# Altium PCB BTF16_2.PcbDoc (part 2 of 4)
Units mm, origin at the board's own origin, x right, y up, seen from the top; angles counter-clockwise.
Board outline 150 x 212.5 mm, 4 copper layers (L1, L2, L3, L4), stack 1.606 mm thick; 313 components, 135 nets, 1767 pads, 1746 vias.
Unrouted connection lines stored in the file: 6.
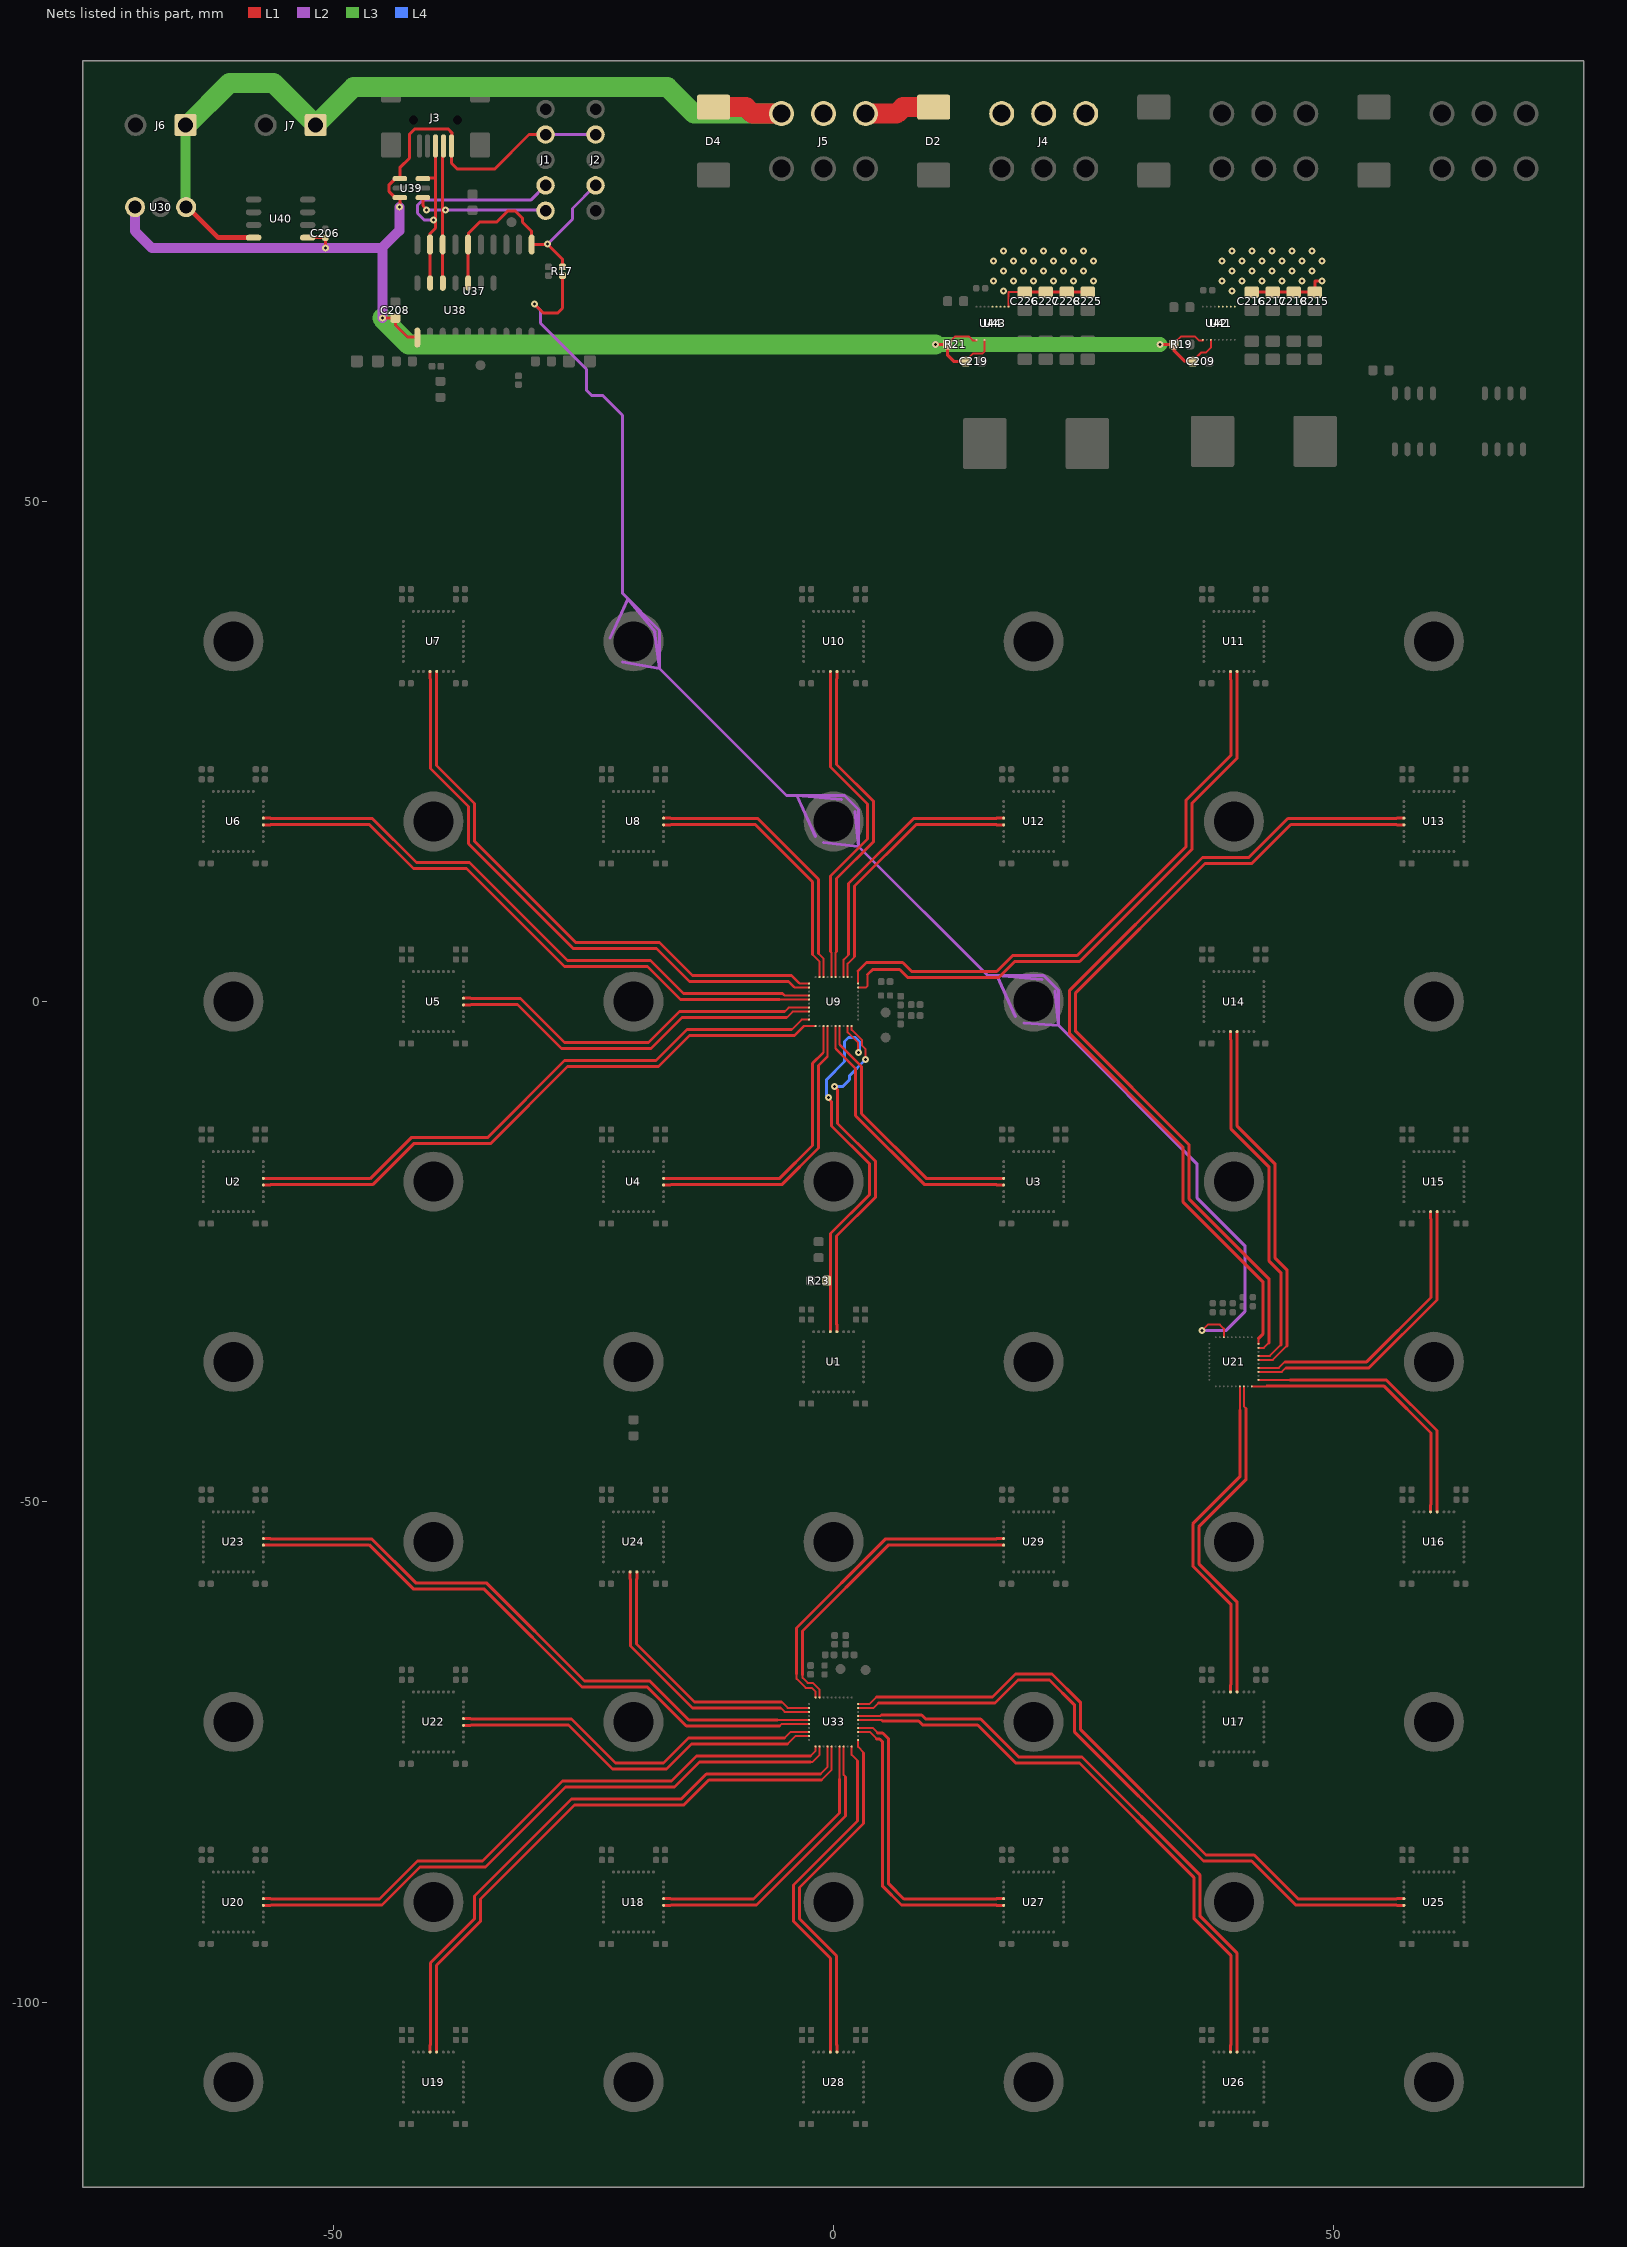
[diagram p4: the nets of this part, all layers, seen from the top]

## Footprints (in the part's own frame and the unit in brackets; to place one, negate y for a bottom-side part, rotate by r counter-clockwise, add the part's x,y. Pads: shape width x height; smd on the part's side, far side on the other; paste and mask are expansions set on the pad) (continued)
PTH_HDRV02W11060P500_1X02 [mm]
  rrect18% 2.2x2.2 / inner round 2.2 / far side rrect18% 2.2x2.2 hole 1.5 mask+0.075: 1(-2.5,-0.35)
  round 2.2 hole 1.5 mask+0.075: 2(2.5,-0.35)
  silkscreen extent -5.25,-4 5.25,4, body extent -5.25,-4 5.25,4, height 11
PTH_HDRV05W64P254_1X05 [mm]
  round 1.85 hole 1.15 mask+0.075: 1(-5.08,0) 2(-2.54,0) 3(0,0) 4(2.54,0) 5(5.08,0)
  silkscreen extent -6.35,-1.25 6.35,1.25, body extent -6.35,-1.25 6.35,1.25, height 8
PTH_MTG400_700 [mm]
  round 6 / inner round 4 / far side round 5 hole 4 mask+0.075: 1(0,0)
  silkscreen extent -3.85,-3.85 3.85,3.85
PTH_TO220 [mm]
  round 2 hole 1.3 mask+0.075: 1(-2.55,-0.35) 2(0,-0.35) 3(2.55,-0.35)
  silkscreen extent -5.25,-2.4 5.25,2.4, body extent -5.12,-2.25 5.12,2.26, height 23.25
SMD_0402_CAPC1005X55N [mm]
  rrect48% 0.62x0.62 smd mask+0.075: 1(-0.45,0) 2(0.45,0)
  body extent -0.5,-0.25 0.5,0.25, height 0.55
SMD_0402_CAPC1005X70N [mm]
  rrect48% 0.62x0.62 smd mask+0.075: 1(-0.45,0) 2(0.45,0)
  body extent -0.5,-0.25 0.5,0.25, height 0.7
SMD_0402_RESC1005X37N [mm]
  rrect45% 0.67x0.67 smd mask+0.05: 1(-0.44,0) 2(0.44,0)
  body extent -0.5,-0.25 0.5,0.25, height 0.37
SMD_0603_CAPC1608X80N [mm]
  rrect42% 0.95x1 smd mask+0.075: 1(-0.8,0) 2(0.8,0)
  body extent -0.8,-0.4 0.8,0.4, height 0.8
SMD_0603_CAPC1608X95N [mm]
  rrect42% 0.95x1 smd mask+0.075: 1(-0.8,0) 2(0.8,0)
  body extent -0.8,-0.4 0.8,0.4, height 0.95
SMD_0603_RESC1608X55N [mm]
  rrect44% 0.9x1 smd mask+0.075: 1(-0.8,0) 2(0.8,0)
  body extent -0.8,-0.4 0.8,0.4, height 0.55
SMD_0805_CAPC2012X145N [mm]
  rrect35% 1.15x1.45 smd mask+0.075: 1(-0.9,0) 2(0.9,0)
  body extent -1,-0.6 1,0.6, height 1.45
SMD_CON-CVILUX-CU04-SCM15B0 [mm]
  rrect80% 0.5x2.3 smd mask+0.075: 1(-1.6,2.6) 2(-0.8,2.6) 3(0,2.6) 4(0.8,2.6) 5(1.6,2.6)
  rrect20% 2x2.5 smd mask+0.075: 6(4.45,2.5) 7(4.45,-3) 8(-4.45,-3) 9(-4.45,2.5)
  round 0.5 hole 0.9 unplated mask+0.275: 10(-2.2,0) 11(2.2,0)
  silkscreen extent -3.85,-4.7 3.85,4.15, body extent -4.95,-5.9 4.95,3.1, height 3.95
SMD_DO214AC_SMC [mm]
  rrect16% 2.5x3.3 smd mask+0.075: 1(-3.4,0) 2(3.4,0)
  silkscreen extent -4.5,-3.1 3.55,3.1, body extent -4.06,-3.11 4.07,3.11, height 2.62
SMD_LED2012X100N [mm]
  rrect33% 1.2x1.2 smd mask+0.075: 1(-1.05,0) 2(1.05,0)
  body extent -1,-0.62 1,0.63, height 0.98
SMD_QFN40P500X500X80-41N [mm]
  round 0.2 smd: 1(-2.45,1.8) 2(-2.45,1.4) 3(-2.45,1) 4(-2.45,0.6) 5(-2.45,0.2) 6(-2.45,-0.2) 7(-2.45,-0.6) 8(-2.45,-1) 9(-2.45,-1.4) 10(-2.45,-1.8) 11(-1.8,-2.45) 12(-1.4,-2.45) 13(-1,-2.45) 14(-0.6,-2.45) 15(-0.2,-2.45) 16(0.2,-2.45) 17(0.6,-2.45) 18(1,-2.45) 19(1.4,-2.45) 20(1.8,-2.45) 21(2.45,-1.8) 22(2.45,-1.4) 23(2.45,-1) 24(2.45,-0.6) 25(2.45,-0.2) 26(2.45,0.2) 27(2.45,0.6) 28(2.45,1) 29(2.45,1.4) 30(2.45,1.8) 31(1.8,2.45) 32(1.4,2.45) 33(1,2.45) 34(0.6,2.45) 35(0.2,2.45) 36(-0.2,2.45) 37(-0.6,2.45) 38(-1,2.45) 39(-1.4,2.45) 40(-1.8,2.45)
  rect 0.35x0.35 smd: 41(0,0)
  L1 region: -1.675,1.325 -1.325,1.675 1.475,1.679 1.553,1.663 1.619,1.619 1.663,1.553 1.679,1.475 1.675,1.475 1.679,-1.475 1.663,-1.553 1.619,-1.619 1.553,-1.663 1.475,-1.679 1.475,-1.675 -1.475,-1.679 -1.553,-1.663 -1.619,-1.619 -1.663,-1.553 -1.679,-1.475 -1.675,-1.475 -1.675,1.325
  L1 region: -1.7,2.875 -1.692,2.125 -1.723,2.048 -1.8,2.017 -1.877,2.048 -1.908,2.125 -1.9,2.125 -1.9,2.875 -1.7,2.875
  L1 region: -1.3,2.875 -1.292,2.125 -1.323,2.048 -1.4,2.017 -1.477,2.048 -1.508,2.125 -1.5,2.125 -1.5,2.875 -1.3,2.875
  L1 region: -0.9,2.875 -0.892,2.125 -0.923,2.048 -1,2.017 -1.077,2.048 -1.108,2.125 -1.1,2.125 -1.1,2.875 -0.9,2.875
  L1 region: -0.5,2.875 -0.492,2.125 -0.523,2.048 -0.6,2.017 -0.677,2.048 -0.708,2.125 -0.7,2.125 -0.7,2.875 -0.5,2.875
  L1 region: -0.1,2.875 -0.092,2.125 -0.123,2.048 -0.2,2.017 -0.277,2.048 -0.308,2.125 -0.3,2.125 -0.3,2.875 -0.1,2.875
  L1 region: 0.3,2.875 0.308,2.125 0.277,2.048 0.2,2.017 0.123,2.048 0.092,2.125 0.1,2.125 0.1,2.875 0.3,2.875
  L1 region: 0.7,2.875 0.708,2.125 0.677,2.048 0.6,2.017 0.523,2.048 0.492,2.125 0.5,2.125 0.5,2.875 0.7,2.875
  L1 region: 1.1,2.875 1.108,2.125 1.077,2.048 1,2.017 0.923,2.048 0.892,2.125 0.9,2.125 0.9,2.875 1.1,2.875
  L1 region: 1.5,2.875 1.508,2.125 1.477,2.048 1.4,2.017 1.323,2.048 1.292,2.125 1.3,2.125 1.3,2.875 1.5,2.875
  L1 region: 1.9,2.875 1.908,2.125 1.877,2.048 1.8,2.017 1.723,2.048 1.692,2.125 1.7,2.125 1.7,2.875 1.9,2.875
  L1 region: 2.875,1.7 2.125,1.692 2.048,1.723 2.017,1.8 2.048,1.877 2.125,1.908 2.125,1.9 2.875,1.9 2.875,1.7
  L1 region: 2.875,1.3 2.125,1.292 2.048,1.323 2.017,1.4 2.048,1.477 2.125,1.508 2.125,1.5 2.875,1.5 2.875,1.3
  L1 region: 2.875,0.9 2.125,0.892 2.048,0.923 2.017,1 2.048,1.077 2.125,1.108 2.125,1.1 2.875,1.1 2.875,0.9
  L1 region: 2.875,0.5 2.125,0.492 2.048,0.523 2.017,0.6 2.048,0.677 2.125,0.708 2.125,0.7 2.875,0.7 2.875,0.5
  L1 region: 2.875,0.1 2.125,0.092 2.048,0.123 2.017,0.2 2.048,0.277 2.125,0.308 2.125,0.3 2.875,0.3 2.875,0.1
  L1 region: 2.875,-0.3 2.125,-0.308 2.048,-0.277 2.017,-0.2 2.048,-0.123 2.125,-0.092 2.125,-0.1 2.875,-0.1 2.875,-0.3
  L1 region: 2.875,-0.7 2.125,-0.708 2.048,-0.677 2.017,-0.6 2.048,-0.523 2.125,-0.492 2.125,-0.5 2.875,-0.5 2.875,-0.7
  L1 region: 2.875,-1.1 2.125,-1.108 2.048,-1.077 2.017,-1 2.048,-0.923 2.125,-0.892 2.125,-0.9 2.875,-0.9 2.875,-1.1
  L1 region: 2.875,-1.5 2.125,-1.508 2.048,-1.477 2.017,-1.4 2.048,-1.323 2.125,-1.292 2.125,-1.3 2.875,-1.3 2.875,-1.5
  L1 region: 2.875,-1.9 2.125,-1.908 2.048,-1.877 2.017,-1.8 2.048,-1.723 2.125,-1.692 2.125,-1.7 2.875,-1.7 2.875,-1.9
  L1 region: 1.7,-2.875 1.692,-2.125 1.723,-2.048 1.8,-2.017 1.877,-2.048 1.908,-2.125 1.9,-2.125 1.9,-2.875 1.7,-2.875
  L1 region: 1.3,-2.875 1.292,-2.125 1.323,-2.048 1.4,-2.017 1.477,-2.048 1.508,-2.125 1.5,-2.125 1.5,-2.875 1.3,-2.875
  L1 region: 0.9,-2.875 0.892,-2.125 0.923,-2.048 1,-2.017 1.077,-2.048 1.108,-2.125 1.1,-2.125 1.1,-2.875 0.9,-2.875
  L1 region: 0.5,-2.875 0.492,-2.125 0.523,-2.048 0.6,-2.017 0.677,-2.048 0.708,-2.125 0.7,-2.125 0.7,-2.875 0.5,-2.875
  L1 region: 0.1,-2.875 0.092,-2.125 0.123,-2.048 0.2,-2.017 0.277,-2.048 0.308,-2.125 0.3,-2.125 0.3,-2.875 0.1,-2.875
  L1 region: -0.3,-2.875 -0.308,-2.125 -0.277,-2.048 -0.2,-2.017 -0.123,-2.048 -0.092,-2.125 -0.1,-2.125 -0.1,-2.875 -0.3,-2.875
  L1 region: -0.7,-2.875 -0.708,-2.125 -0.677,-2.048 -0.6,-2.017 -0.523,-2.048 -0.492,-2.125 -0.5,-2.125 -0.5,-2.875 -0.7,-2.875
  L1 region: -1.1,-2.875 -1.108,-2.125 -1.077,-2.048 -1,-2.017 -0.923,-2.048 -0.892,-2.125 -0.9,-2.125 -0.9,-2.875 -1.1,-2.875
  L1 region: -1.5,-2.875 -1.508,-2.125 -1.477,-2.048 -1.4,-2.017 -1.323,-2.048 -1.292,-2.125 -1.3,-2.125 -1.3,-2.875 -1.5,-2.875
  L1 region: -1.9,-2.875 -1.908,-2.125 -1.877,-2.048 -1.8,-2.017 -1.723,-2.048 -1.692,-2.125 -1.7,-2.125 -1.7,-2.875 -1.9,-2.875
  L1 region: -2.875,-1.7 -2.125,-1.692 -2.048,-1.723 -2.017,-1.8 -2.048,-1.877 -2.125,-1.908 -2.125,-1.9 -2.875,-1.9 -2.875,-1.7
  L1 region: -2.875,-1.3 -2.125,-1.292 -2.048,-1.323 -2.017,-1.4 -2.048,-1.477 -2.125,-1.508 -2.125,-1.5 -2.875,-1.5 -2.875,-1.3
  L1 region: -2.875,-0.9 -2.125,-0.892 -2.048,-0.923 -2.017,-1 -2.048,-1.077 -2.125,-1.108 -2.125,-1.1 -2.875,-1.1 -2.875,-0.9
  L1 region: -2.875,-0.5 -2.125,-0.492 -2.048,-0.523 -2.017,-0.6 -2.048,-0.677 -2.125,-0.708 -2.125,-0.7 -2.875,-0.7 -2.875,-0.5
  L1 region: -2.875,-0.1 -2.125,-0.092 -2.048,-0.123 -2.017,-0.2 -2.048,-0.277 -2.125,-0.308 -2.125,-0.3 -2.875,-0.3 -2.875,-0.1
  L1 region: -2.875,0.3 -2.125,0.308 -2.048,0.277 -2.017,0.2 -2.048,0.123 -2.125,0.092 -2.125,0.1 -2.875,0.1 -2.875,0.3
  L1 region: -2.875,0.7 -2.125,0.708 -2.048,0.677 -2.017,0.6 -2.048,0.523 -2.125,0.492 -2.125,0.5 -2.875,0.5 -2.875,0.7
  L1 region: -2.875,1.1 -2.125,1.108 -2.048,1.077 -2.017,1 -2.048,0.923 -2.125,0.892 -2.125,0.9 -2.875,0.9 -2.875,1.1
  L1 region: -2.875,1.5 -2.125,1.508 -2.048,1.477 -2.017,1.4 -2.048,1.323 -2.125,1.292 -2.125,1.3 -2.875,1.3 -2.875,1.5
  L1 region: -2.875,1.9 -2.125,1.908 -2.048,1.877 -2.017,1.8 -2.048,1.723 -2.125,1.692 -2.125,1.7 -2.875,1.7 -2.875,1.9
  silkscreen extent -3.47,-2.5 2.5,2.5
SMD_QFN50P600X600X175-36AN [mm]
  round 0.3 smd mask-0.15: 1(-3,2) 2(-3,1.5) 3(-3,1) 4(-3,0.5) 5(-3,0) 6(-3,-0.5) 7(-3,-1) 8(-3,-1.5) 9(-3,-2) 10(-2,-3) 11(-1.5,-3) 12(-1,-3) 13(-0.5,-3) 14(0,-3) 15(0.5,-3) 16(1,-3) 17(1.5,-3) 18(2,-3) 19(3,-2) 20(3,-1.5) 21(3,-1) 22(3,-0.333) 23(3,0.334) 24(3,1) 25(3,1.5) 26(3,2) 27(2,3) 28(1.5,3) 29(1,3) 30(0.5,3) 31(0,3) 32(-0.5,3) 33(-1,3) 34(-1.5,3) 35(-2,3)
  round 0.4 smd: 36(0,0)
  L1 region: -2.35,2.15 -2.15,2.35 2.15,2.354 2.228,2.338 2.294,2.294 2.338,2.228 2.354,2.15 2.35,2.15 2.354,-2.15 2.338,-2.228 2.294,-2.294 2.228,-2.338 2.15,-2.354 2.15,-2.35 -2.15,-2.354 -2.228,-2.338 -2.294,-2.294 -2.338,-2.228 -2.354,-2.15 -2.35,-2.15 -2.35,2.15
  L1 region: -1.85,3.4 -1.838,2.75 -1.885,2.635 -2,2.588 -2.115,2.635 -2.162,2.75 -2.15,2.75 -2.15,3.4 -1.85,3.4
  L1 region: -1.35,3.4 -1.338,2.75 -1.385,2.635 -1.5,2.588 -1.615,2.635 -1.662,2.75 -1.65,2.75 -1.65,3.4 -1.35,3.4
  L1 region: -0.85,3.4 -0.838,2.75 -0.885,2.635 -1,2.588 -1.115,2.635 -1.162,2.75 -1.15,2.75 -1.15,3.4 -0.85,3.4
  L1 region: -0.35,3.4 -0.338,2.75 -0.385,2.635 -0.5,2.588 -0.615,2.635 -0.662,2.75 -0.65,2.75 -0.65,3.4 -0.35,3.4
  L1 region: 0.15,3.4 0.162,2.75 0.115,2.635 0,2.588 -0.115,2.635 -0.162,2.75 -0.15,2.75 -0.15,3.4 0.15,3.4
  L1 region: 0.65,3.4 0.662,2.75 0.615,2.635 0.5,2.588 0.385,2.635 0.338,2.75 0.35,2.75 0.35,3.4 0.65,3.4
  L1 region: 1.15,3.4 1.162,2.75 1.115,2.635 1,2.588 0.885,2.635 0.838,2.75 0.85,2.75 0.85,3.4 1.15,3.4
  L1 region: 1.65,3.4 1.662,2.75 1.615,2.635 1.5,2.588 1.385,2.635 1.338,2.75 1.35,2.75 1.35,3.4 1.65,3.4
  L1 region: 2.15,3.4 2.162,2.75 2.115,2.635 2,2.588 1.885,2.635 1.838,2.75 1.85,2.75 1.85,3.4 2.15,3.4
  L1 region: 3.4,1.85 2.75,1.838 2.635,1.885 2.588,2 2.635,2.115 2.75,2.162 2.75,2.15 3.4,2.15 3.4,1.85
  L1 region: 3.4,1.35 2.75,1.338 2.635,1.385 2.588,1.5 2.635,1.615 2.75,1.662 2.75,1.65 3.4,1.65 3.4,1.35
  L1 region: 3.4,0.85 2.75,0.838 2.635,0.885 2.588,1 2.635,1.115 2.75,1.162 2.75,1.15 3.4,1.15 3.4,0.85
  L1 region: 3.4,0.184 2.75,0.172 2.635,0.219 2.588,0.334 2.635,0.449 2.75,0.496 2.75,0.484 3.4,0.484 3.4,0.184
  L1 region: 3.4,-0.483 2.75,-0.495 2.635,-0.448 2.588,-0.333 2.635,-0.218 2.75,-0.171 2.75,-0.183 3.4,-0.183 3.4,-0.483
  L1 region: 3.4,-1.15 2.75,-1.162 2.635,-1.115 2.588,-1 2.635,-0.885 2.75,-0.838 2.75,-0.85 3.4,-0.85 3.4,-1.15
  L1 region: 3.4,-1.65 2.75,-1.662 2.635,-1.615 2.588,-1.5 2.635,-1.385 2.75,-1.338 2.75,-1.35 3.4,-1.35 3.4,-1.65
  L1 region: 3.4,-2.15 2.75,-2.162 2.635,-2.115 2.588,-2 2.635,-1.885 2.75,-1.838 2.75,-1.85 3.4,-1.85 3.4,-2.15
  L1 region: 1.85,-3.4 1.838,-2.75 1.885,-2.635 2,-2.588 2.115,-2.635 2.162,-2.75 2.15,-2.75 2.15,-3.4 1.85,-3.4
  L1 region: 1.35,-3.4 1.338,-2.75 1.385,-2.635 1.5,-2.588 1.615,-2.635 1.662,-2.75 1.65,-2.75 1.65,-3.4 1.35,-3.4
  L1 region: 0.85,-3.4 0.838,-2.75 0.885,-2.635 1,-2.588 1.115,-2.635 1.162,-2.75 1.15,-2.75 1.15,-3.4 0.85,-3.4
  L1 region: 0.35,-3.4 0.338,-2.75 0.385,-2.635 0.5,-2.588 0.615,-2.635 0.662,-2.75 0.65,-2.75 0.65,-3.4 0.35,-3.4
  L1 region: -0.15,-3.4 -0.162,-2.75 -0.115,-2.635 0,-2.588 0.115,-2.635 0.162,-2.75 0.15,-2.75 0.15,-3.4 -0.15,-3.4
  L1 region: -0.65,-3.4 -0.662,-2.75 -0.615,-2.635 -0.5,-2.588 -0.385,-2.635 -0.338,-2.75 -0.35,-2.75 -0.35,-3.4 -0.65,-3.4
  L1 region: -1.15,-3.4 -1.162,-2.75 -1.115,-2.635 -1,-2.588 -0.885,-2.635 -0.838,-2.75 -0.85,-2.75 -0.85,-3.4 -1.15,-3.4
  L1 region: -1.65,-3.4 -1.662,-2.75 -1.615,-2.635 -1.5,-2.588 -1.385,-2.635 -1.338,-2.75 -1.35,-2.75 -1.35,-3.4 -1.65,-3.4
  L1 region: -2.15,-3.4 -2.162,-2.75 -2.115,-2.635 -2,-2.588 -1.885,-2.635 -1.838,-2.75 -1.85,-2.75 -1.85,-3.4 -2.15,-3.4
  L1 region: -3.4,-1.85 -2.75,-1.838 -2.635,-1.885 -2.588,-2 -2.635,-2.115 -2.75,-2.162 -2.75,-2.15 -3.4,-2.15 -3.4,-1.85
  L1 region: -3.4,-1.35 -2.75,-1.338 -2.635,-1.385 -2.588,-1.5 -2.635,-1.615 -2.75,-1.662 -2.75,-1.65 -3.4,-1.65 -3.4,-1.35
  L1 region: -3.4,-0.85 -2.75,-0.838 -2.635,-0.885 -2.588,-1 -2.635,-1.115 -2.75,-1.162 -2.75,-1.15 -3.4,-1.15 -3.4,-0.85
  L1 region: -3.4,-0.35 -2.75,-0.338 -2.635,-0.385 -2.588,-0.5 -2.635,-0.615 -2.75,-0.662 -2.75,-0.65 -3.4,-0.65 -3.4,-0.35
  L1 region: -3.4,0.15 -2.75,0.162 -2.635,0.115 -2.588,0 -2.635,-0.115 -2.75,-0.162 -2.75,-0.15 -3.4,-0.15 -3.4,0.15
  L1 region: -3.4,0.65 -2.75,0.662 -2.635,0.615 -2.588,0.5 -2.635,0.385 -2.75,0.338 -2.75,0.35 -3.4,0.35 -3.4,0.65
  L1 region: -3.4,1.15 -2.75,1.162 -2.635,1.115 -2.588,1 -2.635,0.885 -2.75,0.838 -2.75,0.85 -3.4,0.85 -3.4,1.15
  L1 region: -3.4,1.65 -2.75,1.662 -2.635,1.615 -2.588,1.5 -2.635,1.385 -2.75,1.338 -2.75,1.35 -3.4,1.35 -3.4,1.65
  L1 region: -3.4,2.15 -2.75,2.162 -2.635,2.115 -2.588,2 -2.635,1.885 -2.75,1.838 -2.75,1.85 -3.4,1.85 -3.4,2.15
  silkscreen extent -3.05,-3.53 4.27,3.05
SMD_SOIC127P600X110-9AN [mm]
  oval 1.4x0.6 smd mask+0.075: 1(-2.8,1.905) 2(-2.8,0.635) 3(-2.8,-0.635) 4(-2.8,-1.905) 5(2.8,-1.905) 6(2.8,-0.635) 7(2.8,0.635) 8(2.8,1.905)
  L1 region: -1.35,2.7 -0.15,2.7 -0.15,2.2 2.4,2.2 2.4,-2.2 -0.15,-2.2 -0.15,-2.7 -1.35,-2.7 -1.35,2.7
  body extent -3.2,-2.45 3.2,2.45, height 1.1
SMD_SOIC127P600X175-8N [mm]
  oval 1.55x0.6 smd mask+0.075: 1(-2.7,1.905) 2(-2.7,0.635) 3(-2.7,-0.635) 4(-2.7,-1.905) 5(2.7,-1.905) 6(2.7,-0.635) 7(2.7,0.635) 8(2.7,1.905)
  silkscreen extent -3.5,-2.55 2.05,2.55, body extent -3,-2.5 3,2.5, height 1.75
SMD_SOIC127P600X175-14N [mm]
  oval 1.55x0.6 smd mask+0.075: 1(-2.7,3.81) 2(-2.7,2.54) 3(-2.7,1.27) 4(-2.7,0) 5(-2.7,-1.27) 6(-2.7,-2.54) 7(-2.7,-3.81) 8(2.7,-3.81) 9(2.7,-2.54) 10(2.7,-1.27) 11(2.7,0) 12(2.7,1.27) 13(2.7,2.54) 14(2.7,3.81)
  silkscreen extent -3.5,-4.45 2.05,4.45, body extent -3,-4.32 3,4.33, height 1.75
SMD_SOIC127P1030X265-20N [mm]
  oval 2x0.6 smd mask+0.075: 1(-4.65,5.715) 2(-4.65,4.445) 3(-4.65,3.175) 4(-4.65,1.905) 5(-4.65,0.635) 6(-4.65,-0.635) 7(-4.65,-1.905) 8(-4.65,-3.175) 9(-4.65,-4.445) 10(-4.65,-5.715) 11(4.65,-5.715) 12(4.65,-4.445) 13(4.65,-3.175) 14(4.65,-1.905) 15(4.65,-0.635) 16(4.65,0.635) 17(4.65,1.905) 18(4.65,3.175) 19(4.65,4.445) 20(4.65,5.715)
  silkscreen extent -5.65,-6.5 3.8,6.5, body extent -5.16,-6.4 5.16,6.4, height 2.65
SMD_SON40P330X330X100-17N [mm]
  round 0.2 smd mask-0.1: 1(-1.65,1.4) 2(-1.65,1) 3(-1.65,0.6) 4(-1.65,0.2) 5(-1.65,-0.2) 6(-1.65,-0.6) 7(-1.65,-1) 8(-1.65,-1.4) 9(1.65,-1.4) 10(1.65,-1) 11(1.65,-0.6) 12(1.65,-0.2) 13(1.65,0.2) 14(1.65,0.6) 15(1.65,1) 16(1.65,1.4)
  round 0.4 smd: 17(0,0)
  L1 region: -2.05,1.5 -1.35,1.508 -1.273,1.477 -1.242,1.4 -1.273,1.323 -1.35,1.292 -1.35,1.3 -2.05,1.3 -2.05,1.5
  L1 region: -2.05,1.1 -1.35,1.108 -1.273,1.077 -1.242,1 -1.273,0.923 -1.35,0.892 -1.35,0.9 -2.05,0.9 -2.05,1.1
  L1 region: -2.05,0.7 -1.35,0.708 -1.273,0.677 -1.242,0.6 -1.273,0.523 -1.35,0.492 -1.35,0.5 -2.05,0.5 -2.05,0.7
  L1 region: -2.05,0.3 -1.35,0.308 -1.273,0.277 -1.242,0.2 -1.273,0.123 -1.35,0.092 -1.35,0.1 -2.05,0.1 -2.05,0.3
  L1 region: -2.05,-0.1 -1.35,-0.092 -1.273,-0.123 -1.242,-0.2 -1.273,-0.277 -1.35,-0.308 -1.35,-0.3 -2.05,-0.3 -2.05,-0.1
  L1 region: -2.05,-0.5 -1.35,-0.492 -1.273,-0.523 -1.242,-0.6 -1.273,-0.677 -1.35,-0.708 -1.35,-0.7 -2.05,-0.7 -2.05,-0.5
  L1 region: -2.05,-0.9 -1.35,-0.892 -1.273,-0.923 -1.242,-1 -1.273,-1.077 -1.35,-1.108 -1.35,-1.1 -2.05,-1.1 -2.05,-0.9
  L1 region: -2.05,-1.3 -1.35,-1.292 -1.273,-1.323 -1.242,-1.4 -1.273,-1.477 -1.35,-1.508 -1.35,-1.5 -2.05,-1.5 -2.05,-1.3
  L1 region: 2.05,-1.5 1.35,-1.508 1.273,-1.477 1.242,-1.4 1.273,-1.323 1.35,-1.292 1.35,-1.3 2.05,-1.3 2.05,-1.5
  L1 region: 2.05,-1.1 1.35,-1.108 1.273,-1.077 1.242,-1 1.273,-0.923 1.35,-0.892 1.35,-0.9 2.05,-0.9 2.05,-1.1
  L1 region: 2.05,-0.7 1.35,-0.708 1.273,-0.677 1.242,-0.6 1.273,-0.523 1.35,-0.492 1.35,-0.5 2.05,-0.5 2.05,-0.7
  L1 region: 2.05,-0.3 1.35,-0.308 1.273,-0.277 1.242,-0.2 1.273,-0.123 1.35,-0.092 1.35,-0.1 2.05,-0.1 2.05,-0.3
  L1 region: 2.05,0.1 1.35,0.092 1.273,0.123 1.242,0.2 1.273,0.277 1.35,0.308 1.35,0.3 2.05,0.3 2.05,0.1
  L1 region: 2.05,0.5 1.35,0.492 1.273,0.523 1.242,0.6 1.273,0.677 1.35,0.708 1.35,0.7 2.05,0.7 2.05,0.5
  L1 region: 2.05,0.9 1.35,0.892 1.273,0.923 1.242,1 1.273,1.077 1.35,1.108 1.35,1.1 2.05,1.1 2.05,0.9
  L1 region: 2.05,1.3 1.35,1.292 1.273,1.323 1.242,1.4 1.273,1.477 1.35,1.508 1.35,1.5 2.05,1.5 2.05,1.3
  L1 region: -1,1.225 -0.8,1.425 0.8,1.429 0.878,1.413 0.944,1.369 0.988,1.303 1.004,1.225 1,1.225 1.004,-1.225 0.988,-1.303 0.944,-1.369 0.878,-1.413 0.8,-1.429 0.8,-1.425 -0.8,-1.429 -0.878,-1.413 -0.944,-1.369 -0.988,-1.303 -1.004,-1.225 -1,-1.225 -1,1.225
  silkscreen extent -2.57,-1.65 1,1.65
SMD_SOT457_SOT95P275X110-6N [mm]
  rrect80% 1.45x0.5 smd mask+0.075: 1(-1.15,0.95) 2(-1.15,0) 3(-1.15,-0.95) 4(1.15,-0.95) 5(1.15,0) 6(1.15,0.95)
  silkscreen extent -1.9,-1.6 0.85,1.6, body extent -1.37,-1.45 1.38,1.45, height 1.1
SMD_TP_100-254 [mm]
  round 1 smd paste-0.55 mask+0.075: 1(0,0)
  silkscreen extent -0.82,-0.82 0.82,0.82, body extent -0.5,-0.5 0.5,0.5, height 0.05
SMT_INDM135130X800N [mm]
  rrect9% 4.35x5.1 smd mask+0.075: 1(-5.125,0) 2(5.125,0)
  silkscreen extent -6.73,-6.48 6.73,6.48, body extent -6.26,-6.25 6.26,6.25, height 8

## Part data
C1 C2 C3 C4 C5 C6 C7 C8 C9 C10 C11 C12 C13 C14 C15 C16 C17 C18 C19 C20 C21 C22 C23 C24 C25 C26 C27 C28 C29 C30 C31 C32 C33 C34 C35 C36 C37 C38 C39 C40 C41 C42 C43 C44 C45 C46 C47 C48 C50 C51 C52 C53 C54 C55 C56 C57 C58 C59 C60 C61 C62 C63 C64 C65 C66 C67 C72 C73 C74 C75 C76 C77 C78 C79 C80 C81 C82 C83 C84 C85 C86 C87 C88 C89 C90 C91 C92 C93 C94 C95 C96 C97 C98 C99 C100 C101 C102 C103 C104 C105 C106 C107 C108 C109 C110 C111 C112 C113 C114 C115 C116 C117 C118 C119 C121 C122 C123 C124 C125 C126 C127 C128 C129 C130 C131 C132 C133 C134 C135 C136 C137 C138 C139 C140 C141 C142 C143 C144 C145 C146 C147 C148 C149 C150 C151 C152 C153 C154 C155 C156 C157 C158 C159 C160 C161 C162 C163 C164 C165 C166 C167 C168: library part CAP000047481
C49 C120 C187 C206 C210 C220: library part CAP000047469
C68 C69 C70 C71: library part CAP000020674
C207: library part CAP000047176
C208: library part CAP000043646
C209 C219: library part CAP000023307
C211 C212 C213 C214 C215 C216 C217 C218 C221 C222 C223 C224 C225 C226 C227 C228: library part CAP000043650
D1 D3: library part OPT000000096
D2 D4 D5 D6: library part DDE000001725
J1 J2: library part CON000000006
J3: library part CON000000048
J4 J5 J8 J9: library part CON000000279
J6 J7: library part CON000000055
J10 J11 J12 J13 J14 J15 J16 J17 J18 J19 J20 J21 J22 J23 J24 J25 J26 J27 J28 J29 J30 J31 J32 J33 J34 J35 J36 J37 J38 J39 J40 J41: library part MTH000000030
L1 L2: library part L
Q1 Q2: library part TRA000001604
R1 R2 R3 R4 R5 R6 R7 R8 R9 R10 R12: library part RES000008887
R11: library part RES000006283
R13 R14: library part RES000006240
R15 R16 R17: library part RES000005869
R18 R19 R20 R21 R22 R23 R24 R25: library part RES000008926
TP1 TP2 TP3 TP4 TP5 TP6: library part TPO000000001
U1 U2 U3 U4 U5 U6 U7 U8 U10 U11 U12 U13 U14 U15 U16 U17 U18 U19 U20 U22 U23 U24 U25 U26 U27 U28 U29: "BitFury 2016 16 nm"
U30: library part PSU000000080
U37: library part MCU000000108
U38: library part MCU000000093
U39: library part DDE000002846
U40: library part PSU000000125
U41 U43: library part IC_CSD97394Q4M, "Texas Instrumendts Buck Boost DC-DC"
U42 U44: library part IC_CSD95379Q3M, "Texas Instrumendts Buck Boost DC-DC"

## Via types
v1: diameter 0.7/0.7/0.7/0.7 (per signal layer), hole 0.3, L1 to L4, 1746 vias

## Nets (pads, with @x,y where several pads share a name; then routed paths per layer and width w, separated by ;. In a path a pad name is that pad's centre, name@x,y a point inside that pad or via, vN(x,y) a via of type N, cw(c..) or ccw(c..) an arc to the next point about the centre after c; other vN are vias at no path point)
5.0V: C206.1 C208.1 C209.1 C219.1 J1.2 J2.2 J3.1 R19.1 R21.1 U30.3 U37.1 U38.1 U39.1 U39.3 U40.1 U41.2 U42.1 U42.3 U43.2 U44.1 U44.3 | length 181.2
  L1 w0.2: R21.1@11.4,65.7 11.4,65.75 12.15,66.5 13.5,66.5 13.9,66.1 14.3,66.1 U44.1@14.3,66.15 ; C219.1@13.2,64 13.2,64.025 13.975,64.8 14.9,64.8 15.1,65 U43.2@15.1,66.15 ; R19.1@34,65.7 34,65.75 34.75,66.5 36.1,66.5 36.5,66.1 36.9,66.1 U42.1@36.9,66.15 ; C209.1@35.9,64 35.9,64.025 36.775,64.9 37.228,64.9 37.7,65.372 U41.2@37.7,66.15
  L1 w0.3: U40.1@-52.57,76.353 -50.803,76.353 C206.1@-50.8,76.35 v1(-50.8,75.3) ; v1(-45.1,68.3) -45.08,68.32 C208.1@-43.792,68.32 -43.78,68.308 -43.78,67.6 -42.6,66.42 U38.1@-41.602,66.42 ; v1(-43.4,79.4) -43.35,79.45 U39.3@-43.35,80.35 -43.825,80.35 -44.425,80.95 -44.425,81.65 -43.825,82.25 U39.1@-43.35,82.25 -43.35,83.35 -42.4,84.3 -42.4,86.7 -41.9,87.2 -38.5,87.2 -38.153,86.853 -38.153,85.52 J3.1@-38.192,85.52 -38.192,83.8 -37.592,83.2 -33.9,83.2 -30.44,86.66 J1.2@-28.792,86.66 ; v1(10.2,65.7) R21.1@11.4,65.7 11.4,64.6 12,64 C219.1@13.2,64 ; v1(32.6,65.7) R19.1@34,65.7 34,65.1 35.1,64 C209.1@35.9,64
  L2 w0.3: J1.2@-28.792,86.66 J2.2@-23.792,86.66
  L2 w1: U30.3@-69.82,79.408 -69.82,77 -68.12,75.3 v1(-50.8,75.3) -45.2,75.3 ; v1(-45.1,68.3) -45.1,75.2 -45.2,75.3 ; v1(-43.4,79.4) -43.4,77 -43.5,77 -45.2,75.3
  L3 w1.5: v1(10.2,65.7) v1(32.6,65.7)
  L3 w2: v1(-45.1,68.3) -42.5,65.7 v1(10.2,65.7)
12V: C215.1 C216.1 C217.1 C218.1 C225.1 C226.1 C227.1 C228.1 D2.1 D4.1 J4.1 J4.2 J4.3 J5.1 J5.2 J5.3 J6.1 J7.1 U30.1 U40.8 U41.9 U41.10 U41.11 U41.12 U41.13 U42.9 U42.10 U42.11 U42.12 U43.9 U43.10 U43.11 U43.12 U43.13 U44.9 U44.10 U44.11 U44.12 | length 113.6
  L1 w0.2: U43.9@17.5,69.45 17.5,70.9 C226.1@19.1,70.9
  L1 w0.3: C226.1@19.1,70.9 C225.1@25.4,70.9 ; C216.1@41.8,70.9 C215.1@48.1,70.9 48.1,72 v1(48.8,72)
  L1 w0.5: U30.1@-64.72,79.408 -64.555,79.408 -61.5,76.353 U40.8@-57.97,76.353
  L1 w2: D4.1@-12,89.4 -8.75,89.4 -8.1,88.75 J5.1@-5.2,88.75 ; J5.3@3.2,88.75 6.3,88.75 6.95,89.4 D2.1@10,89.4
  L3 w1: J6.1@-64.77,87.608 -64.77,79.458 U30.1@-64.72,79.408
  L3 w2: J6.1@-64.77,87.608 -64.681,87.519 -60.4,91.8 -55.961,91.8 J7.1@-51.77,87.608 -47.978,91.4 -16.593,91.4 -13.944,88.75 J5.1@-5.2,88.75
  other v1: 17,71 39.8,71 16,72 18,72 20,72 22,72 24,72 26,72 38.8,72 40.8,72 42.8,72 44.8,72 46.8,72 17,73 19,73 21,73 23,73 25,73 39.8,73 41.8,73 43.8,73 45.8,73 47.8,73 16,74 18,74 20,74 22,74 24,74 26,74 38.8,74 40.8,74 42.8,74 44.8,74 46.8,74 48.8,74 17,75 19,75 21,75 23,75 25,75 39.8,75 41.8,75 43.8,75 45.8,75 47.8,75
BF_CLK0: U13.22 U21.10 | length 84
  L1 w0.2: U21.10@42.45,-34.2 42.45,-33.7
  L1 w0.3: 42.45,-33.7 42.9,-33.25 42.9,-28 34.9,-20 34.9,-14.524 23.6,-3.224 23.6,1.124 36.876,14.4 41.501,14.4 45.4,18.299 56.267,18.299 56.3,18.333 U13.22@57,18.333
BF_CLK1: U14.22 U21.7 | length 36.1
  L1 w0.2: U21.7@42.45,-35.4 43.6,-35.4 44.7,-34.3
  L1 w0.3: U14.22@39.667,-3 39.667,-3.8 39.7,-3.834 39.7,-12.701 43.5,-16.5 43.5,-25.9 44.7,-27.1 44.7,-34.3
BF_CLK2: U15.22 U21.4 | length 28.7
  L1 w0.2: U21.4@42.45,-36.6 44.5,-36.6 45.1,-36
  L1 w0.3: 45.1,-36 53.276,-36 59.701,-29.575 59.701,-21.733 59.667,-21.7 U15.22@59.667,-21
BF_CLK3: U16.22 U21.1 | length 28.1
  L1 w0.2: U21.1@42.45,-37.8 45.6,-37.8
  L1 w0.3: 45.6,-37.8 55.224,-37.8 60.3,-42.875 60.3,-50.267 60.333,-50.3 U16.22@60.333,-51
BF_CLK4: U17.22 U21.38 | length 34.2
  L1 w0.2: U21.38@41,-38.45 41,-40.456 41.2,-40.656
  L1 w0.3: U17.22@40.333,-69 40.333,-68.3 40.3,-68.267 40.3,-59.975 36.5,-56.176 36.5,-52.5 41.2,-47.8 41.2,-40.656
BF_CLK5: U25.22 U33.10 | length 66.7
  L1 w0.2: U33.10@2.45,-70.2 3.6,-70.2 4.3,-69.5
  L1 w0.3: 4.3,-69.5 15.876,-69.5 18.176,-67.2 21.824,-67.2 24.7,-70.076 24.7,-72.776 37.224,-85.3 42.04,-85.3 46.44,-89.701 56.267,-89.701 56.3,-89.667 U25.22@57,-89.667
BF_CLK6: U26.22 U33.7 | length 60.1
  L1 w0.2: U33.7@2.45,-71.4 4.7,-71.4 4.8,-71.3
  L1 w0.3: 4.8,-71.3 8.8,-71.3 9.2,-71.7 14.7,-71.7 18.5,-75.5 24.824,-75.5 36.6,-87.276 36.6,-91.376 40.3,-95.075 40.3,-104.266 40.333,-104.3 U26.22@40.333,-105
BF_CLK7: U27.22 U33.4 | length 30.1
  L1 w0.2: U33.4@2.45,-72.6 3.9,-72.6 4.4,-73.1
  L1 w0.3: 4.4,-73.1 4.9,-73.1 5.5,-73.7 5.5,-88.176 7.025,-89.701 16.267,-89.701 16.3,-89.667 U27.22@17,-89.667
BF_CLK8: U28.22 U33.1 | length 35.6
  L1 w0.2: U33.1@2.45,-73.8 2.45,-74.5 3,-75.1
  L1 w0.3: U28.22@0.333,-105 0.333,-104.3 0.3,-104.266 0.3,-95.375 -3.4,-91.676 -3.4,-88.556 3,-82.156 3,-75.1
BF_CLK9: U18.22 U33.38 | length 28.9
  L1 w0.2: U33.38@1,-74.45 1,-77.3 1.2,-77.5
  L1 w0.3: U18.22@-17,-90.333 -16.3,-90.333 -16.267,-90.3 -7.699,-90.3 1.2,-81.4 1.2,-77.5
BF_CLK10: U19.22 U33.35 | length 59.9
  L1 w0.2: -1.2,-77.8 -0.2,-76.8 U33.35@-0.2,-74.45
  L1 w0.3: U19.22@-39.667,-105 -39.667,-104.3 -39.7,-104.266 -39.7,-96.325 -35.3,-91.924 -35.3,-89.7 -25.9,-80.3 -14.976,-80.3 -12.476,-77.8 -1.2,-77.8
BF_CLK11: U20.22 U33.32 | length 62.7
  L1 w0.2: -2.3,-76 -2.1,-76 -1.4,-75.3 U33.32@-1.4,-74.45
  L1 w0.3: U20.22@-57,-90.333 -56.275,-90.333 -56.242,-90.3 -45.144,-90.3 -41.344,-86.5 -34.8,-86.5 -26.8,-78.5 -15.9,-78.5 -13.4,-76 -2.3,-76
BF_CLK12: U22.22 U33.29 | length 37.8
  L1 w0.2: -4.6,-74.2 -3.8,-73.4 U33.29@-2.45,-73.4
  L1 w0.3: U22.22@-37,-72.333 -36.3,-72.333 -36.266,-72.299 -26.5,-72.299 -22.099,-76.7 -16.7,-76.7 -14.2,-74.2 -4.6,-74.2
BF_CLK13: U23.22 U33.26 | length 62.1
  L1 w0.2: -5.4,-72.4 -5.2,-72.2 U33.26@-2.45,-72.2
  L1 w0.3: U23.22@-57,-54.333 -56.3,-54.333 -56.266,-54.3 -46.425,-54.3 -42.024,-58.7 -34.956,-58.7 -25.156,-68.5 -18.624,-68.5 -14.724,-72.4 -5.4,-72.4
BF_CLK14: U24.22 U33.23 | length 28
  L1 w0.2: -5.3,-70.6 -4.9,-71 U33.23@-2.45,-71
  L1 w0.3: U24.22@-20.333,-57 -20.333,-57.7 -20.299,-57.734 -20.299,-64.401 -14.1,-70.6 -5.3,-70.6
BF_CLK15: U29.22 U33.20 | length 32.5
  L1 w0.2: -3.7,-67.2 -3.7,-67.7 -2.8,-68.6 -2.2,-68.6 -1.8,-69 U33.20@-1.8,-69.55
  L1 w0.3: -3.7,-67.2 -3.7,-62.6 5.2,-53.7 16.267,-53.7 16.3,-53.667 U29.22@17,-53.667
BF_CLK16: U1.22 U9.10 | length 36.2
  L1 w0.2: U9.10@1.8,-2.45 1.8,-2.825 2.85,-3.875 2.85,-4.4 3.2,-4.75 v1(3.2,-5.8)
  L1 w0.3: v1(0.1,-8.5) 0.4,-8.8 0.4,-12.176 4.2,-15.976 4.2,-19.524 0.3,-23.425 0.3,-32.267 0.333,-32.3 U1.22@0.333,-33
  L4 w0.3: v1(0.1,-8.5) 0.9,-8.5 1.6,-7.8 1.6,-7.4 v1(3.2,-5.8)
BF_CLK17: U3.22 U9.7 | length 26.6
  L1 w0.2: U9.7@0.6,-2.45 0.6,-4.3 0.7,-4.4
  L1 w0.3: 0.7,-4.4 2.8,-6.5 2.8,-11.2 9.3,-17.701 16.267,-17.701 16.3,-17.667 U3.22@17,-17.667
BF_CLK18: U4.22 U9.4 | length 29.6
  L1 w0.2: -0.7,-5.6 -0.6,-5.5 U9.4@-0.6,-2.45
  L1 w0.3: U4.22@-17,-18.333 -16.3,-18.333 -16.267,-18.3 -5.175,-18.3 -1.5,-14.624 -1.5,-6.4 -0.7,-5.6
BF_CLK19: U2.22 U9.1 | length 61.8
  L1 w0.2: -3,-2.5 -2.95,-2.45 U9.1@-1.8,-2.45
  L1 w0.3: U2.22@-57,-18.333 -56.3,-18.333 -56.266,-18.3 -46.075,-18.3 -41.976,-14.2 -34.3,-14.2 -26.6,-6.5 -17.5,-6.5 -14.4,-3.4 -3.9,-3.4 -3,-2.5
BF_CLK20: U5.22 U9.38 | length 37.9
  L1 w0.2: -4.7,-1.6 -4.1,-1 U9.38@-2.45,-1
  L1 w0.3: U5.22@-37,-0.333 -36.3,-0.333 -36.266,-0.3 -31.6,-0.3 -27.2,-4.7 -18.25,-4.7 -15.15,-1.6 -4.7,-1.6
BF_CLK21: U6.22 U9.35 | length 61.8
  L1 w0.2: -5.4,0.2 U9.35@-2.45,0.2
  L1 w0.3: U6.22@-57,17.667 -56.3,17.667 -56.266,17.7 -46.4,17.7 -42,13.3 -36.7,13.3 -26.9,3.5 -18.6,3.5 -15.3,0.2 -5.4,0.2
BF_CLK22: U7.22 U9.32 | length 58.8
  L1 w0.2: -4,1.5 -3.9,1.4 U9.32@-2.45,1.4
  L1 w0.3: U7.22@-40.333,33 -40.333,32.3 -40.3,32.266 -40.3,23.299 -36.5,19.5 -36.5,15.776 -26.024,5.3 -17.7,5.3 -14.4,2 -4.5,2 -4,1.5
BF_CLK23: U8.22 U9.29 | length 27.1
  L1 w0.2: -2.1,4.7 -1.4,4 U9.29@-1.4,2.45
  L1 w0.3: U8.22@-17,17.667 -16.3,17.667 -16.267,17.7 -7.825,17.7 -2.1,11.976 -2.1,4.7
BF_CLK24: U9.26 U10.22 | length 33.7
  L1 w0.2: -0.3,5 -0.2,4.9 U9.26@-0.2,2.45
  L1 w0.3: U10.22@-0.333,33 -0.333,32.3 -0.299,32.266 -0.299,23.451 3.4,19.752 3.4,16.249 -0.3,12.549 -0.3,5
BF_CLK25: U9.23 U12.22 | length 27.8
  L1 w0.2: U9.23@1,2.45 1,4.2 1.5,4.7
  L1 w0.3: 1.5,4.7 1.5,11.8 8,18.299 16.267,18.299 16.3,18.333 U12.22@17,18.333
BF_CLK26: U9.20 U11.22 | length 59.3
  L1 w0.2: U9.20@2.45,1.8 2.45,3.05
  L1 w0.3: 2.45,3.05 3.3,3.9 6.9,3.9 7.8,3 16.3,3 17.9,4.6 24.351,4.6 35.2,15.449 35.2,20.1 39.7,24.6 39.7,32.166 39.667,32.2 U11.22@39.667,33
BF_DAT0: U13.23 U21.9 | length 84
  L1 w0.2: U21.9@42.45,-34.6 43,-34.6 43.5,-34.1
  L1 w0.3: 43.5,-34.1 43.5,-27.7 35.5,-19.7 35.5,-14.276 24.2,-2.976 24.2,0.876 37.124,13.8 41.801,13.8 45.7,17.699 56.267,17.699 56.3,17.666 U13.23@57,17.666
BF_DAT1: U14.23 U21.6 | length 36.9
  L1 w0.2: U21.6@42.45,-35.8 43.9,-35.8 45.3,-34.4
  L1 w0.3: U14.23@40.334,-3 40.334,-3.8 40.301,-3.834 40.301,-12.401 44.1,-16.2 44.1,-25.6 45.3,-26.8 45.3,-34.4
BF_DAT2: U15.23 U21.3 | length 29.7
  L1 w0.2: U21.3@42.45,-37 44.8,-37 45.2,-36.6
  L1 w0.3: 45.2,-36.6 53.524,-36.6 60.301,-29.824 60.301,-21.733 60.334,-21.7 U15.23@60.334,-21
BF_DAT3: U16.23 U21.40 | length 27.8
  L1 w0.2: U21.40@41.8,-38.45 43.3,-38.45 43.325,-38.425
  L1 w0.3: 43.325,-38.425 43.35,-38.4 54.976,-38.4 59.699,-43.124 59.699,-50.267 59.666,-50.3 U16.23@59.666,-51
BF_DAT4: U17.23 U21.37 | length 34.1
  L1 w0.2: 40.6,-40.8 U21.37@40.6,-38.45
  L1 w0.3: U17.23@39.666,-69 39.666,-68.3 39.7,-68.267 39.7,-60.224 35.9,-56.424 35.9,-52.2 40.6,-47.5 40.6,-40.8
BF_DAT5: U25.23 U33.9 | length 66.6
  L1 w0.2: U33.9@2.45,-70.6 4,-70.6 4.5,-70.1
  L1 w0.3: 4.5,-70.1 16.124,-70.1 18.424,-67.8 21.576,-67.8 24.1,-70.324 24.1,-73.024 36.976,-85.9 41.791,-85.9 46.192,-90.301 56.267,-90.301 56.3,-90.334 U25.23@57,-90.334
BF_DAT6: U26.23 U33.6 | length 59.1
  L1 w0.2: U33.6@2.45,-71.8 4.8,-71.8 4.9,-71.9
  L1 w0.3: 4.9,-71.9 8.5,-71.9 8.9,-72.3 14.4,-72.3 18.2,-76.1 24.576,-76.1 36,-87.524 36,-91.624 39.7,-95.324 39.7,-104.266 39.666,-104.3 U26.23@39.666,-105
BF_DAT7: U27.23 U33.3 | length 30.2
  L1 w0.2: U33.3@2.45,-73 3.6,-73 4.3,-73.7
  L1 w0.3: 4.3,-73.7 4.6,-73.7 4.9,-74 4.9,-88.424 6.776,-90.301 16.267,-90.301 16.3,-90.334 U27.23@17,-90.334
BF_DAT8: U28.23 U33.40 | length 35
  L1 w0.2: U33.40@1.8,-74.45 1.8,-75.3 2.4,-75.9
  L1 w0.3: U28.23@-0.334,-105 -0.334,-104.3 -0.3,-104.266 -0.3,-95.624 -4,-91.924 -4,-88.307 2.4,-81.907 2.4,-75.9
BF_DAT9: U18.23 U33.37 | length 27.8
  L1 w0.2: 0.6,-77.7 U33.37@0.6,-74.45
  L1 w0.3: U18.23@-17,-89.666 -16.3,-89.666 -16.267,-89.7 -7.999,-89.7 0.6,-81.1 0.6,-77.7
BF_DAT10: U19.23 U33.34 | length 60.1
  L1 w0.2: -1.3,-77.2 -0.6,-76.5 U33.34@-0.6,-74.45
  L1 w0.3: U19.23@-40.334,-105 -40.334,-104.3 -40.3,-104.266 -40.3,-96.076 -35.9,-91.676 -35.9,-89.4 -26.2,-79.7 -15.224,-79.7 -12.724,-77.2 -1.3,-77.2
BF_DAT11: U20.23 U33.31 | length 61.8
  L1 w0.2: -2.3,-75.4 -1.8,-74.9 U33.31@-1.8,-74.45
  L1 w0.3: U20.23@-57,-89.666 -56.275,-89.666 -56.242,-89.7 -45.392,-89.7 -41.593,-85.9 -35.1,-85.9 -27.1,-77.9 -16.2,-77.9 -13.7,-75.4 -2.3,-75.4
BF_DAT12: U22.23 U33.28 | length 37.7
  L1 w0.2: -4.9,-73.6 -4.3,-73 U33.28@-2.45,-73
  L1 w0.3: U22.23@-37,-71.666 -36.3,-71.666 -36.266,-71.7 -26.2,-71.7 -21.799,-76.1 -17,-76.1 -14.5,-73.6 -4.9,-73.6
BF_DAT13: U23.23 U33.25 | length 62.1
  L1 w0.2: -5.6,-71.8 U33.25@-2.45,-71.8
  L1 w0.3: U23.23@-57,-53.666 -56.3,-53.666 -56.266,-53.7 -46.176,-53.7 -41.776,-58.1 -34.707,-58.1 -24.907,-67.9 -18.376,-67.9 -14.476,-71.8 -5.6,-71.8
BF_DAT14: U24.23 U33.22 | length 27.1
  L1 w0.2: -5.2,-70 -4.6,-70.6 U33.22@-2.45,-70.6
  L1 w0.3: U24.23@-19.666,-57 -19.666,-57.7 -19.699,-57.734 -19.699,-64.201 -13.9,-70 -5.2,-70
BF_DAT15: U29.23 U33.19 | length 31.3
  L1 w0.2: -3.1,-67.3 -3.1,-67.6 -2.6,-68.1 -2.1,-68.1 -1.4,-68.8 U33.19@-1.4,-69.55
  L1 w0.3: -3.1,-67.3 -3.1,-62.9 5.5,-54.301 16.267,-54.301 16.3,-54.334 U29.23@17,-54.334
BF_DAT16: R23.1 U1.23 U9.9 | length 39.6
  L1 w0.2: U9.9@1.4,-2.45 1.4,-3.078 2.45,-4.128 2.45,-5.05 v1(2.5,-5.1)
  L1 w0.3: R23.1@-0.7,-27.9 R23.1@-0.3,-27.9 ; v1(-0.5,-9.6) -0.5,-9.7 -0.2,-10 -0.2,-12.424 3.6,-16.224 3.6,-19.276 -0.3,-23.176 R23.1@-0.3,-27.9 ; U1.23@-0.334,-33 -0.334,-32.3 -0.3,-32.267 R23.1@-0.3,-27.9
  L4 w0.3: v1(-0.5,-9.6) -0.7,-9.4 -0.7,-7.8 1.1,-6 1.1,-4 1.5,-3.6 2.2,-3.6 2.6,-4 2.6,-5.012 2.512,-5.1 v1(2.5,-5.1)
BF_DAT17: U3.23 U9.6 | length 27.5
  L1 w0.2: U9.6@0.2,-2.45 0.2,-4.7 0.3,-4.8
  L1 w0.3: 0.3,-4.8 2.2,-6.7 2.2,-11.4 9.1,-18.301 16.267,-18.301 16.3,-18.334 U3.23@17,-18.334
BF_DAT18: U4.23 U9.3 | length 28.7
  L1 w0.2: -1.112,-5.188 -1,-5.076 U9.3@-1,-2.45
  L1 w0.3: U4.23@-17,-17.666 -16.3,-17.666 -16.267,-17.699 -5.424,-17.699 -2.1,-14.376 -2.1,-6.176 -1.112,-5.188
BF_DAT19: U2.23 U9.40 | length 61.1
  L1 w0.2: -4.2,-2.8 -3.2,-1.8 U9.40@-2.45,-1.8
  L1 w0.3: U2.23@-57,-17.666 -56.3,-17.666 -56.266,-17.699 -46.324,-17.699 -42.224,-13.6 -34.6,-13.6 -26.9,-5.9 -17.749,-5.9 -14.649,-2.8 -4.2,-2.8
BF_DAT20: U5.23 U9.37 | length 37.8
  L1 w0.2: -4.9,-1 -4.5,-0.6 U9.37@-2.45,-0.6
  L1 w0.3: U5.23@-37,0.334 -36.3,0.334 -36.266,0.3 -31.3,0.3 -26.9,-4.1 -18.499,-4.1 -15.399,-1 -4.9,-1
BF_DAT21: U6.23 U9.34 | length 61.9
  L1 w0.2: -5,0.7 -4.9,0.6 U9.34@-2.45,0.6
  L1 w0.3: U6.23@-57,18.334 -56.3,18.334 -56.266,18.3 -46.1,18.3 -41.7,13.9 -36.4,13.9 -26.6,4.1 -18.3,4.1 -15,0.8 -5.1,0.8 -5,0.7
BF_DAT22: U7.23 U9.31 | length 57.9
  L1 w0.2: -3.5,1.9 -3.4,1.8 U9.31@-2.45,1.8
  L1 w0.3: U7.23@-39.666,33 -39.666,32.3 -39.699,32.266 -39.699,23.599 -35.9,19.8 -35.9,16.024 -25.776,5.9 -17.4,5.9 -14.1,2.6 -4.2,2.6 -3.5,1.9
BF_DAT23: U8.23 U9.28 | length 28
  L1 w0.2: -1.5,4.8 -1,4.3 U9.28@-1,2.45
  L1 w0.3: U8.23@-17,18.334 -16.3,18.334 -16.267,18.3 -7.576,18.3 -1.5,12.224 -1.5,4.8
BF_DAT24: U9.25 U10.23 | length 33.7
  L1 w0.2: U9.25@0.2,2.45 0.2,4.9 0.3,5
  L1 w0.3: 0.3,5 0.3,12.3 4,16 4,20 0.3,23.7 0.3,32.266 0.334,32.3 U10.23@0.334,33
BF_DAT25: U9.22 U12.23 | length 26.9
  L1 w0.2: U9.22@1.4,2.45 1.4,3.8 2.1,4.5
  L1 w0.3: 2.1,4.5 2.1,11.551 8.248,17.699 16.267,17.699 16.3,17.666 U12.23@17,17.666
BF_DAT26: U9.19 U11.23 | length 60.1
  L1 w0.2: U9.19@2.45,1.4 3.2,1.4 3.4,1.6 3.4,2.7
  L1 w0.3: 3.4,2.7 3.9,3.2 6.6,3.2 7.4,2.4 16.5,2.4 18.1,4 24.6,4 35.8,15.2 35.8,19.8 40.301,24.301 40.301,32.166 40.334,32.2 U11.23@40.334,33
CLK: J2.4 R17.1 U37.11 U37.16 U38.10 | length 26.9
  L1 w0.3: U38.10@-36.522,71.82 -36.527,71.825 U37.16@-36.527,75.67 -36.5,75.697 -36.5,76.8 -35.4,77.9 -33.7,77.9 -32.6,79 -31.8,79 -31.1,78.3 -31.1,77.9 -30.177,76.977 U37.11@-30.177,75.67 -28.63,75.67 v1(-28.6,75.7) -27.1,74.2 R17.1@-27.1,73.44
  L2 w0.3: v1(-28.6,75.7) -26.1,78.2 -26.1,79.272 J2.4@-23.792,81.58
CLK_PAR: R17.2 U21.18 | length 200.7
  L1 w0.2: v1(36.8,-32.9) 37.4,-32.3 38.6,-32.3 39,-32.7 U21.18@39,-33.55
  L1 w0.3: v1(-29.9,69.7) -29,68.8 -27.6,68.8 -27.1,69.3 R17.2@-27.1,72.56
  L2 w0.3: v1(-29.9,69.7) -29.3,69.1 -29.3,67.8 -24.7,63.2 -24.7,61.1 -24.2,60.6 -23.1,60.6 -21.1,58.6 -21.1,40.8 -17.4,37.1 -17.4,33.3 ; -22.325,36.342 -20.56,40.26 -17.843,36.932 ; -21.096,33.921 -17.4,33.3 ; -17.882,37.017 -17.4,33.3 ; -1.809,16.501 -3.68,20.6 0.809,20.207 ; -1.015,15.88 2.5,15.5 ; 2.12,19.015 2.5,15.5 ; 18.187,-1.495 16.333,2.6 20.811,2.206 ; 19.044,-2.147 22.5,-2.4 ; 22.106,1.043 22.5,-2.4 ; v1(36.8,-32.9) 39.2,-32.9 41.1,-31 41.1,-24.4 36.3,-19.6 36.3,-16.2 22.5,-2.4 ; -17.4,33.3 -4.7,20.6 1.1,20.6 2.5,19.2 2.5,15.5 ; 2.5,15.5 15.4,2.6 21,2.6 22.5,1.1 22.5,-2.4
D+: J1.4 J3.3 U37.19 U38.13 U39.6 | length 31.8
  L1 w0.3: U39.6@-41.05,82.25 -41.05,82.3 -39.792,82.3 ; U38.13@-40.332,71.82 -40.337,71.825 U37.19@-40.337,75.67 -40.337,76.755 -39.792,77.3 v1@-39.792,78.1 ; v1(-40,78.1) v1@-39.792,78.1 ; J3.3@-39.792,85.52 -39.792,82.3 ; v1@-39.792,78.1 -39.792,82.3
  L2 w0.3: v1(-40,78.1) -40.9,78.1 -41.6,78.8 -41.6,79.6 -41.1,80.1 -30.272,80.1 J1.4@-28.792,81.58
D-: J1.5 J3.2 U37.18 U38.12 U39.4 | length 27.3
  L1 w0.3: U39.4@-41.05,80.35 -41.05,79.55 -40.7,79.2 v1(-40.7,79.1) ; U38.12@-39.062,71.82 -39.067,71.825 U37.18@-39.067,75.67 v1@-39.067,79.1 ; J3.2@-38.992,85.52 -39.067,85.445 v1@-39.067,79.1 ; v1(-38.8,79.1) v1@-39.067,79.1
  L2 w0.3: v1(-40.7,79.1) v1(-38.8,79.1) -28.852,79.1 J1.5@-28.792,79.04